# Altium PCB bms_mainboard-1_0.PcbDoc (part 7 of 7)
Units mm, origin at the board's own origin, x right, y up, seen from the top; angles counter-clockwise.
Board outline 287.5 x 127.76 mm, 6 copper layers (L1, L2, L3, L4, L5, L6), stack 1.853 mm thick; 821 components, 640 nets, 2823 pads, 1876 vias.
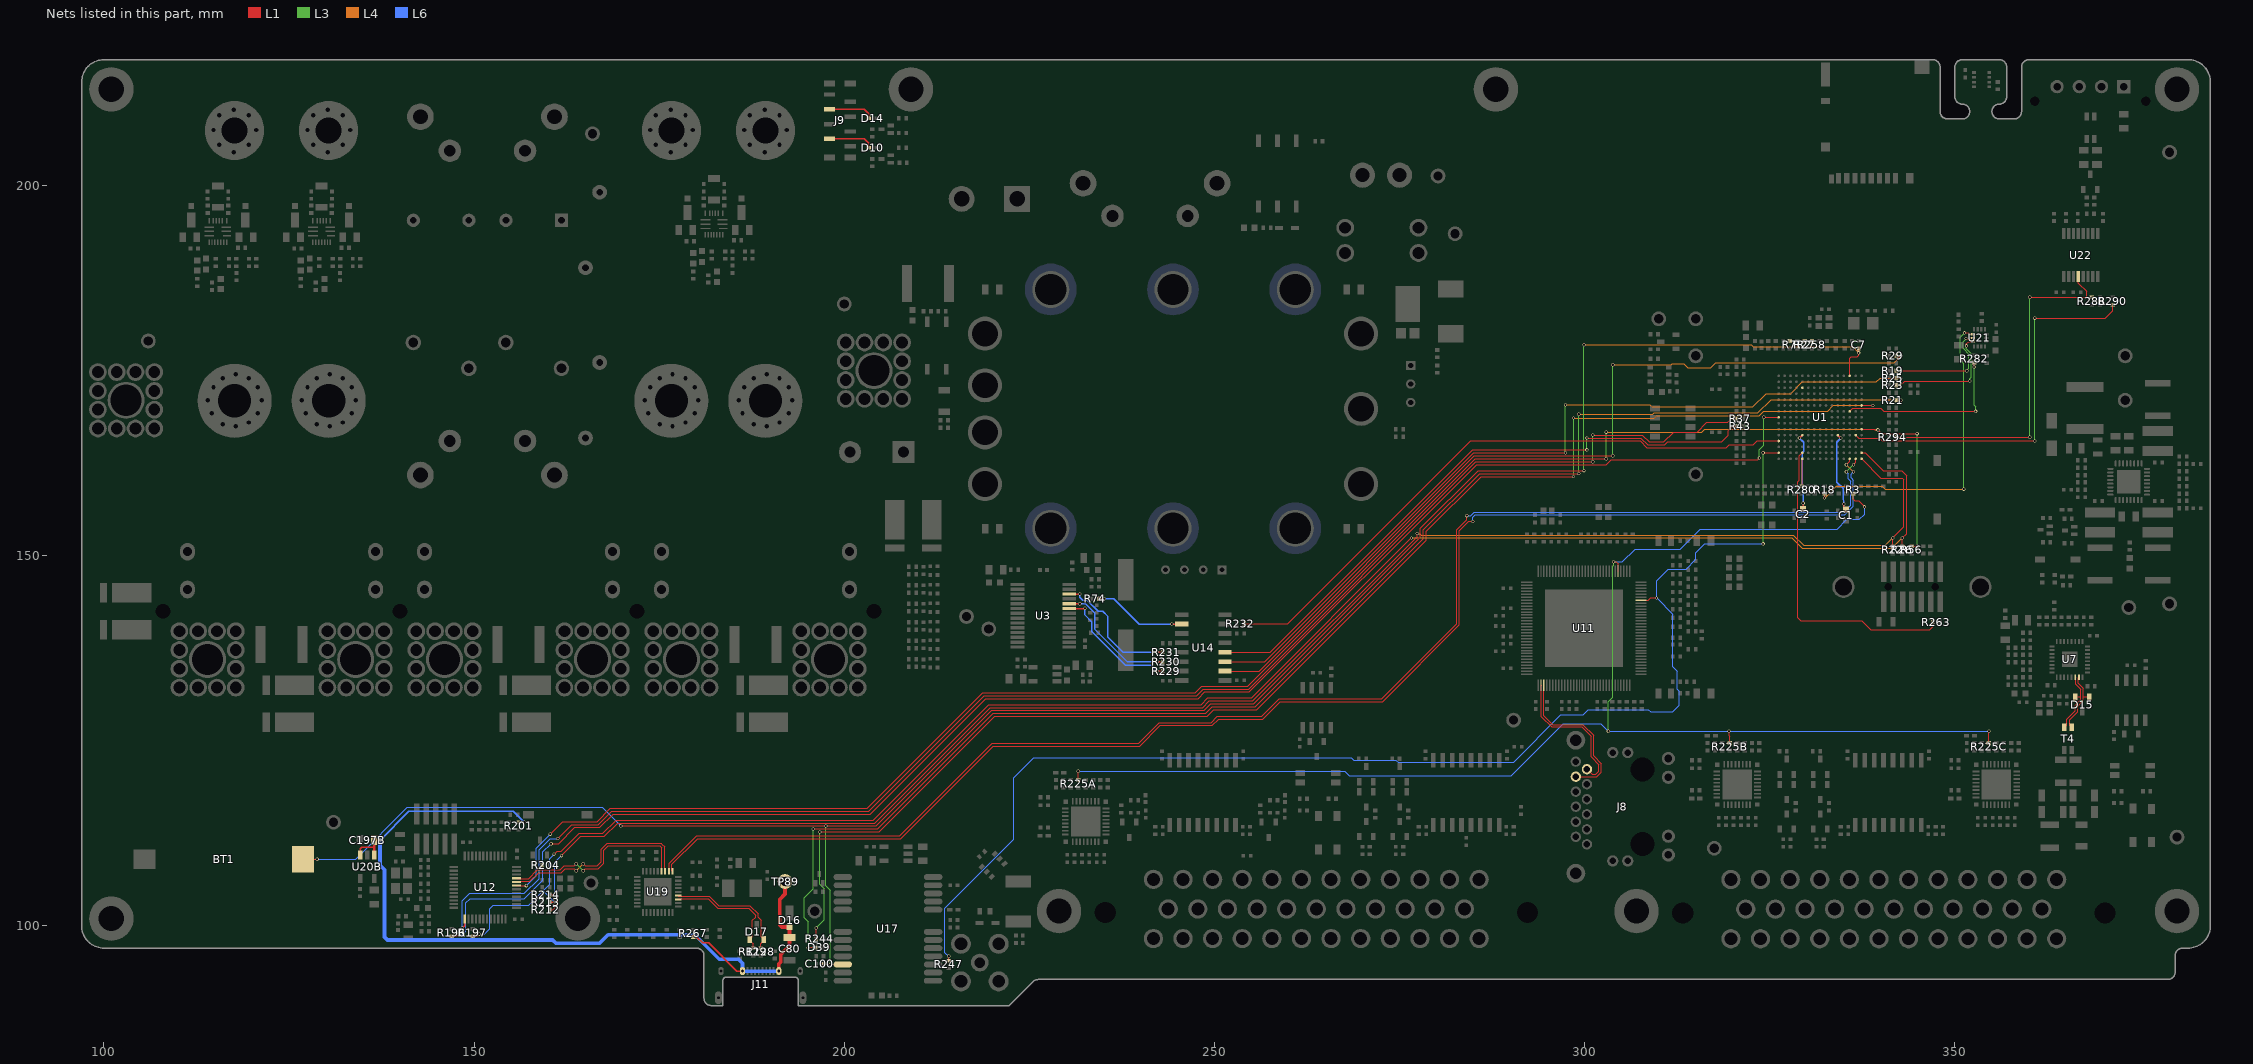
[diagram p11: the nets of this part, all layers, seen from the top]

## Via types
v1: diameter 0.45, hole 0.3, L1 to L6, 908 vias
v2: diameter 1, hole 0.6, L1 to L6, 875 vias
v3: diameter 0.65, hole 0.3, L1 to L6, 41 vias
v4: diameter 0.5, hole 0.35, L1 to L6, 28 vias
v5: diameter 0.45, hole 0.3, L1 to L6, tented both sides, 24 vias

## Nets (pads, with @x,y where several pads share a name; then routed paths per layer and width w, separated by ;. In a path a pad name is that pad's centre, name@x,y a point inside that pad or via, vN(x,y) a via of type N, cw(c..) or ccw(c..) an arc to the next point about the centre after c; other vN are vias at no path point) (continued)
SPI2.SCK_1: R3.1 R225A.2 R225B.2 R225C.2 U11.101 | length 196.2
  L1 w0.15: R225A.2@231.6,119.7 v1(231.6,120.9) ; v1(303.9,149.2) 304.2,149.2 304.5,148.9 U11.101@304.5,147.9 ; v1(319.5,126.3) 319.5,125.7 319.6,125.6 R225B.2@319.6,124.7 ; R3.1@336.3,158.4 336.3,157.6 336.5,157.4 337,157.4 v1(337.8,156.6) ; R225C.2@354.6,124.7 v1(354.6,126.3)
  L3 w0.15: v1(303.2,126.3) 303.2,130.3 303.8,130.9 303.8,148.6 303.9,148.7 v1(303.9,149.2)
  L6 w0.15: v1(231.6,120.9) 267.6,120.9 268.2,120.3 290.1,120.3 297.1,127.3 302.2,127.3 v1(303.2,126.3) v1(319.5,126.3) v1(354.6,126.3) ; v1(303.9,149.2) 305.1,149.2 306.8,150.9 312.9,150.9 315.6,153.6 334.1,153.6 335.4,154.9 337.1,154.9 337.8,155.6 v1(337.8,156.6)
SPI4.MISO_1: R232.2 U1.R12 | length 83.2
  L1 w0.15: R232.2@254,140.8 259.9,140.8 284.6,165.5 307.5,165.5 308.4,164.6 319.1,164.6 319.5,165 322.8,165 323.3,165.5 U1.R12@326.2,165.5
SPI4.MOSI_1: R43.1 U14.4 | length 83.8
  L1 w0.15: U14.4@251.421,136.965 257.565,136.965 284.9,164.3 v1(300.3,164.3) ; v1(300.3,165.9) 307.6,165.9 308.5,165 310.8,165 311.2,165.4 318.5,165.4 319.4,166.3 319.4,166.9 320,167.5 R43.1@320.5,167.5
  L3 w0.15: v1(300.3,164.3) v1(300.3,165.9)
SPI4.SCK_1: R25.1 U14.3 | length 111.8
  L1 w0.15: U14.3@251.421,135.695 256.795,135.695 285,163.9 v1(297.4,163.9) ; R25.1@342.1,174 v1(342.7,174)
  L3 w0.15: v1(297.4,163.9) v1(297.4,170.4)
  L4 w0.15: v1(297.4,170.4) 308.8,170.4 309.1,170.1 322.7,170.1 324.5,171.9 327.8,171.9 329.4,173.5 339.4,173.5 339.9,174 v1(342.7,174)
SPI4_ISO.MISO_1: R74.2 U14.10 | length 12.6
  L1 w0.2: R74.2@234.4,144.2 v1(235.1,144.2) ; v1(244.22,140.779) 244.224,140.775 U14.10@245.579,140.775
  L6 w0.2: v1(235.1,144.2) 236.4,144.2 239.821,140.779 v1(244.22,140.779)
SPI4_ISO.MOSI_1: R231.1 U3.26 | length 17.7
  L1 w0.203: U3.26@230.4,144.825 231.806,144.825 v1(231.808,144.826) ; v1(242.3,137) R231.1@243,137
  L6 w0.203: v1(231.808,144.826) 231.808,144.392 232.2,144 232.8,144 234.3,142.5 234.9,142.5 235.6,141.8 235.6,139 237.6,137 v1(242.3,137)
SPI4_ISO.SCK_1: R230.1 U3.24 | length 17.1
  L1 w0.203: U3.24@230.4,143.525 231.806,143.525 v1(231.808,143.526) ; v1(242.3,135.7) R230.1@243,135.7
  L6 w0.203: v1(231.808,143.526) 231.834,143.5 232.6,143.5 233.8,142.3 233.8,140.1 238.2,135.7 v1(242.3,135.7)
SPI4_nSS_1: R29.1 U14.2 | length 117.1
  L1 w0.15: U14.2@251.421,134.425 256.025,134.425 285.1,163.5 v1(303.8,163.5) ; R29.1@342.1,177 v1(342.7,177)
  L3 w0.15: v1(303.8,163.5) v1(303.8,175.8)
  L4 w0.15: v1(303.8,175.8) 311.7,175.8 311.8,175.9 313.4,175.9 313.9,175.4 317,175.4 317.7,176.1 341.8,176.1 v1(342.7,177)
SPI4_nSS_ISO_1: R229.1 U3.23 | length 17.4
  L1 w0.203: U3.23@230.4,142.875 232.475,142.875 v1(232.5,142.9) ; v1(242.3,134.4) R229.1@243,134.4
  L6 w0.203: v1(232.5,142.9) 232.5,142 233.4,141.1 233.4,139.8 238,135.2 241.5,135.2 v1(242.3,134.4)
SPI5.MISO_1: U1.L3
SPI5.MOSI_1: R7.1
SPI5.SCK_1: R27.1
SPI5_nSS_1: R258.1
SPI6.MISO_1: R282.1 U1.C7 | length 24
  L1 w0.15: U1.C7@335.8,169.5 336.2,169.9 340,169.9 340.4,169.5 v1(352.8,169.5) ; v1(352.6,175.5) R282.1@352.6,176.1
  L3 w0.15: v1(352.6,175.5) 352.6,170.3 352.8,170.1 v1(352.8,169.5)
SPI6.MOSI_1: R23.1 U21.14 | length 16.5
  L1 w0.15: R23.1@342.1,173 342.6,173 343.2,173.6 v1(352,173.6) ; v1(351.568,178.346) 351.568,178.646 351.848,178.926 U21.14@352.412,178.926
  L3 w0.15: v1(351.568,178.346) 351.568,177.932 352.2,177.3 352.2,174.1 352,173.9 v1(352,173.6)
SPI6.SCK_1: R19.1 U21.13 | length 15.4
  L1 w0.15: R19.1@342.1,175 v1(351.6,175) ; v1(351.541,179.332) 351.901,179.332 351.995,179.426 U21.13@352.412,179.426
  L3 w0.15: v1(351.541,179.332) 351.1,178.89 351.1,178 351.9,177.2 351.9,175.3 v1(351.6,175)
SPI6_nSS_1: R18.1 U21.12 | length 43
  L1 w0.15: v1(332.4,157.8) R18.1@332.4,158.4 ; v1(351.3,180.1) 351.8,180.1 351.974,179.926 U21.12@352.412,179.926
  L3 w0.15: v1(351.2,159) 351.2,175.9 350.7,176.4 350.7,179.5 v1(351.3,180.1)
  L4 w0.15: v1(332.4,157.8) 334,159.4 340.2,159.4 340.6,159 v1(351.2,159)
SWD.SWCLK_1: R26.1 R197.1 R213.1 U1.A14 | length 240.2
  L1 w0.15: v1(160.8,109.7) 161.2,110.1 161.8,110.1 164.2,112.5 167.4,112.5 169.2,114.3 203.9,114.3 219.5,129.9 248.2,129.9 249.1,130.8 255,130.8 v1(276.6,152.4) ; U1.A14@337.4,163.9 337.9,163.9 340.3,161.5 342.8,161.5 343.5,160.8 343.5,153 v1(342.9,152.4) R26.1@342.9,151.3
  L1 w0.2: R197.1@149.8,98.6 150.4,98.6 v1(150.7,98.9) ; R213.1@160.2,103.2 v1(160.9,103.2)
  L4 w0.15: v1(276.6,152.4) 328,152.4 329.4,151 341.5,151 v1(342.9,152.4)
  L6 w0.15: v1(150.7,98.9) 151.4,98.9 152.1,99.6 152.1,102.3 152.6,102.8 157.4,102.8 159.35,104.75 ; v1(160.8,109.7) 160.2,109.1 160.2,105.6 159.35,104.75 ; v1(160.9,103.2) 159.35,104.75
SWD.SWDIO_1: R22.1 R212.1 R214.1 U1.A15 | length 224.9
  L1 w0.15: R212.1@160.2,102.2 160.7,102.2 160.9,102.4 160.9,102.6 161.3,103 161.3,103.8 v1(160.9,104.2) ; v1(161.8,109.5) 164.4,112.1 167.6,112.1 169.4,113.9 204.1,113.9 219.7,129.5 248.4,129.5 249.3,130.4 255.2,130.4 277.4,152.6 v1(277.4,153) ; U1.A15@337.4,163.1 340,160.5 342.9,160.5 343.1,160.3 343.1,153.9 v1(341.6,152.4) R22.1@341.6,151.3
  L1 w0.2: R214.1@160.2,104.2 v1(160.9,104.2)
  L4 w0.15: v1(277.4,153) 277.7,153 277.9,152.8 328.2,152.8 329.6,151.4 340.6,151.4 v1(341.6,152.4)
  L6 w0.15: v1(160.9,104.2) 160.9,108.6 v1(161.8,109.5)
SWD.SWO_1: R56.1 U1.A10 U12.31 | length 237.4
  L1 w0.15: U12.31@155.75,105.45 v1(157.061,105.45) ; v1(160.3,112.4) 162,114.1 166.6,114.1 168.4,115.9 203.1,115.9 218.7,131.5 247.4,131.5 248.3,132.4 254.5,132.4 285.2,163.1 v1(302.9,163.1) ; U1.A10@337.4,167.1 339.1,167.1 339.2,167 v1(339.6,167) 340.1,166.5 v1(344.9,166.5) ; R56.1@344.2,151.3 v1(344.9,151.3)
  L3 w0.15: v1(302.9,163.1) v1(302.9,166.7) ; v1(344.9,151.3) v1(344.9,166.5)
  L4 w0.15: v1(302.9,166.7) 315.8,166.7 316.2,167.1 339.1,167.1 339.2,167 v1(339.6,167)
  L6 w0.15: v1(157.061,105.45) 158.4,106.789 158.4,110.5 v1(160.3,112.4)
TACH1_IN: D10.2 J9.7 | length 6.1
  L1 w0.2: J9.7@198,206.3 202.7,206.3 203.3,205.7 D10.2@203.3,205.1
TACH2_IN: D14.2 J9.3 | length 6.1
  L1 w0.2: J9.3@198,210.3 202.7,210.3 203.3,209.7 D14.2@203.3,209.1
TIMEPULSE_1: R247.2 U1.R14 U11.90 | length 175.2
  L1 w0.15: R247.2@214.1,95.3 v1(214.1,95.9) ; U11.90@307.6,144 308.6,144 308.9,144.3 v1(309.7,144.3) ; v1(324.1,163.9) U1.R14@326.2,163.9
  L3 w0.15: v1(324.1,151.6) v1(324.1,163.9)
  L6 w0.15: v1(214.1,95.9) 213.6,96.4 213.6,102.4 222.9,111.7 222.9,120 225.6,122.7 268.5,122.7 268.8,122.4 274.5,122.4 274.8,122.1 290.4,122.1 296.8,128.5 299.8,128.5 300.5,129.2 308.6,129.2 308.9,128.9 311.9,128.9 312.8,129.8 312.8,131.7 312.5,132 312.5,134.4 311.9,135 311.9,142.1 v1(309.7,144.3) 309.7,146.6 311.3,148.2 313.7,148.2 315,149.5 315,150.4 316.2,151.6 v1(324.1,151.6)
TRX_N: D15.1 T4.1 U7.31 | length 8.8
  L1 w0.123: T4.1@365.8,126.825 365.5,127.125 365.5,127.843 366.573,128.916 366.573,129.673 367.352,130.452 367.352,130.925 ; U7.31@366.75,133.6 366.662,133.512 366.662,132.8 367.352,132.109 367.352,130.925 ; D15.1@368.15,130.925 367.352,130.925
TRX_P: D15.2 T4.2 U7.30 | length 8.8
  L1 w0.123: T4.2@364.8,126.825 365.1,127.125 365.1,127.9 366.25,129.05 366.25,129.807 367.029,130.586 367.029,131.975 366.338,132.666 366.338,133.512 U7.30@366.25,133.6 ; D15.2@366.25,130.925 367.029,130.925
TX4_N: J8.10 U11.35 | length 21
  L1 w0.123: U11.35@294.5,132.5 294.462,132.462 294.462,128.4 295.662,127.2 299.757,127.2 301.2,125.757 301.2,122.957 302.223,121.934 302.223,120.766 301.621,120.164 J8.10@298.808,120.164
TX4_P: J8.11 U11.34 | length 19.3
  L1 w0.123: U11.34@294.1,132.5 294.138,132.462 294.138,128.266 295.528,126.877 299.623,126.877 300.877,125.623 300.877,122.823 301.9,121.8 301.9,120.9 301.487,120.487 301,120.487 J8.11@300.307,121.18
UART7.RX_1: R196.1 U1.R8 | length 215.6
  L1 w0.15: v1(160.4,111.1) 161.4,111.1 163.6,113.3 167,113.3 168.8,115.1 203.5,115.1 219.1,130.7 247.8,130.7 248.7,131.6 254.7,131.6 285.4,162.3 302.9,162.3 303.6,163 323.4,163 v1(323.6,163.2) ; v1(324.2,168.7) U1.R8@326.2,168.7
  L1 w0.2: R196.1@147,98.6 147.6,98.6 v1(147.9,98.9)
  L3 w0.15: v1(323.6,163.2) 323.6,164.3 324.2,164.9 v1(324.2,168.7)
  L6 w0.15: v1(147.9,98.9) 148.5,98.9 148.9,99.3 148.9,103.1 149.5,103.7 156.8,103.7 159.3,106.2 159.3,110 v1(160.4,111.1)
UART7.TX_1: R37.1 U12.13 | length 209.4
  L1 w0.15: v1(161.3,111.8) 163.2,113.7 166.8,113.7 168.6,115.5 203.3,115.5 218.9,131.1 247.6,131.1 248.5,132 254.6,132 285.3,162.7 v1@301.2,162.7 ; v1(301.1,166.3) 307.8,166.3 308.7,165.4 310.7,165.4 312,166.7 315.2,166.7 316.5,168 319.3,168 319.8,168.5 R37.1@320.5,168.5
  L1 w0.2: v1(148.4,99.7) 148.75,100.05 U12.13@148.75,100.95
  L3 w0.15: v1(301.1,162.7) v1(301.1,166.3)
  L6 w0.15: v1(148.4,99.7) 148.4,103.4 149.4,104.4 156.8,104.4 158.8,106.4 158.8,110.3 160.3,111.8 v1(161.3,111.8)
UART8.RX_1: R244.2 U1.A6 | length 188
  L1 w0.15: R244.2@196.2,98.3 196.2,99.7 v1(196.2,99.725) ; v1(196.7,112.7) 204.7,112.7 220.3,128.3 249,128.3 249.9,129.2 255.7,129.2 278.6,152.1 278.6,153.3 286,160.7 v1(298.5,160.7) ; U1.A6@337.4,170.3 v1(338.9,170.3)
  L3 w0.15: v1(196.2,99.725) 197.3,100.825 197.3,105 196.7,105.6 v1(196.7,112.7) ; v1(298.5,160.7) v1(298.5,168.6)
  L4 w0.15: v1(298.5,168.6) 309.4,168.6 309.7,168.9 323.6,168.9 324.2,169.5 332.8,169.5 333.6,170.3 v1(338.9,170.3)
UART8.TX_1: D39.2 R21.1 | length 194.7
  L1 w0.15: v1(195.1,97.075) 195.1,97.1 D39.2@196.05,97.1 ; v1(195.8,113.1) 204.5,113.1 220.1,128.7 248.8,128.7 249.7,129.6 255.5,129.6 278.2,152.3 278.2,153.5 285.8,161.1 v1(299.2,161.1) ; R21.1@342.1,171 v1(342.7,171)
  L3 w0.15: v1(195.1,97.075) 195.1,100.6 194.6,101.1 194.6,103.8 195.8,105 v1(195.8,113.1) ; v1(299.2,161.1) v1(299.2,169.1)
  L4 w0.15: v1(299.2,169.1) 309.2,169.1 309.4,169.3 323.4,169.3 325.2,171.1 342.275,171.1 342.375,171 v1(342.7,171)
USART2.RX_1: R290.2 U1.B11 | length 52.8
  L1 w0.15: U1.B11@336.6,166.3 337,165.9 339.8,165.9 340.2,165.5 v1(360.8,165.5) ; v1(360.8,182.1) 370.3,182.1 371.3,183.1 R290.2@371.3,183.9
  L3 w0.15: v1(360.8,165.5) v1(360.8,182.1)
USART2.TX_1: R288.1 R294.1 U22.4 | length 48.6
  L1 w0.15: R294.1@342.1,166 v1(360.1,166) ; v1(360.1,184.9) 367.8,184.9 ; U22.4@366.675,187.7 366.675,186.825 367.8,185.7 367.8,184.9 ; R288.1@368.5,184.9 367.8,184.9
  L3 w0.15: v1(360.1,166) v1(360.1,184.9)
USART3_RX_2: R263.1 U1.L14 | length 42.2
  L1 w0.15: U1.L14@329.4,163.9 329,163.5 329,160.2 328.8,160 328.8,141.6 329.2,141.2 337.419,141.2 338.619,140 346.6,140 347,140.4 R263.1@347,141
USART3_TX_2: R280.1 U1.L15 | length 3.7
  L1 w0.15: R280.1@329.3,159.4 329.4,159.5 U1.L15@329.4,163.1
USB_DFP1._1_N: U1.C15 U19.1 | length 195.6
  L1 w0.158: U19.1@176.8,107.375 176.729,107.446 176.729,108.3 180.229,111.8 207.606,111.8 220.106,124.3 239.906,124.3 242.706,127.1 249.7,127.1 250.547,127.947 256.547,127.947 258.9,130.3 272.706,130.3 283.058,140.652 283.058,153.358 284.332,154.632 v1(284.868,154.632) ; v1(335.346,162.304) 335.8,162.757 U1.C15@335.8,163.1
  L4 w0.158: v1(335.346,162.304) v1(336.296,161.354)
  L6 w0.158: v1(284.868,154.632) 284.868,155.168 285.243,155.543 335.148,155.543 336.3,156.694 336.3,160.2 335.979,160.521 335.979,161.036 v1(336.296,161.354)
USB_DFP1._1_P: U1.B15 U19.2 | length 195.5
  L1 w0.158: U19.2@176.3,107.375 176.371,107.446 176.371,108.448 180.081,112.157 207.457,112.157 219.957,124.658 239.757,124.658 242.557,127.457 249.552,127.457 250.399,128.305 256.399,128.305 258.752,130.658 272.558,130.658 282.7,140.8 282.7,153.506 284.079,154.885 v1(284.079,155.421) ; v1(336.296,162.304) 336.6,162.607 U1.B15@336.6,163.1
  L3 w0.158: v1(335.346,161.354) v1(336.296,162.304)
  L6 w0.158: v1(284.079,155.421) 284.615,155.421 285.094,155.9 335,155.9 335.943,156.843 335.943,160.052 335.621,160.373 335.621,161.079 v1(335.346,161.354)
USB_DFP2._1_N: U12.32 U19.3 | length 27.2
  L1 w0.158: U12.32@155.75,105.95 155.821,106.021 157.527,106.021 158.708,107.202 161.76,107.202 162.3,107.742 163.504,107.742 v1(163.8,107.446) ; v1(164.75,108.396) 165.046,108.1 166.6,108.1 167.143,108.643 167.143,110.348 167.952,111.158 175.248,111.158 175.353,111.053 175.729,110.677 175.729,107.446 U19.3@175.8,107.375
  L4 w0.158: v1(163.8,107.446) v1(164.75,108.396)
USB_DFP2._1_P: R204.2 U12.33 U19.4 | length 27.2
  L1 w0.158: U12.33@155.75,106.45 155.821,106.379 157.379,106.379 158.562,107.562 159.2,107.562 ; R204.2@159.2,108.2 159.2,107.562 ; v1(163.8,108.396) 163.504,108.1 162.152,108.1 161.614,107.562 159.2,107.562 ; v1(164.75,107.446) 165.046,107.743 166.748,107.743 167.5,108.494 167.5,110.2 168.1,110.8 175.1,110.8 175.371,110.529 175.371,107.446 U19.4@175.3,107.375
  L3 w0.158: v1(163.8,108.396) v1(164.75,107.446)
USB_UFP._1_N: D17.1 R129.1 U19.30 | length 16.4
  L1 w0.158: U19.30@177.575,103.6 177.646,103.671 181.629,103.671 182.9,102.4 187.094,102.4 188.023,101.471 188.023,101.166 187.6,100.743 187.6,98.525 D17.1@187.25,98.175 187.25,98.021 187.7,97.571 R129.1@187.7,97
USB_UFP._1_P: D17.2 R128.1 U19.31 | length 17
  L1 w0.158: U19.31@177.575,104.1 177.646,104.029 181.777,104.029 183.048,102.758 187.242,102.758 188.381,101.619 188.381,101.165 188.8,100.746 188.8,98.525 D17.2@189.15,98.175 189.15,98.016 188.7,97.566 R128.1@188.7,97
VBAT: BT1.1 C7.1 C100.1 U1.C1 U17.22 | length 278.3
  L1 w0.15: BT1.1@126.9,109 v1(128.8,109) ; v1(169.8,113.5) v1(197.5,113.5) 204.3,113.5 219.9,129.1 248.6,129.1 249.5,130 255.3,130 277.8,152.5 277.8,153.7 285.6,161.5 v1(299.9,161.5) ; C100.1@197.2,94.9 197.3,94.8 v1(198.1,94.8) U17.22@199.8,94.8 ; U1.C1@335.8,174.3 335.8,176.7 336,176.9 336.8,176.9 337,177.1 v1(337,177.4) C7.1@337,178
  L3 w0.15: v1(197.5,113.5) 197.5,105.4 198.1,104.8 v1(198.1,94.8) ; v1(299.9,161.5) v1(299.9,178.5)
  L4 w0.15: v1(299.9,178.5) 322.5,178.5 322.8,178.2 336.2,178.2 v1(337,177.4)
  L6 w0.15: v1(128.8,109) 134,109 141,116 167.3,116 v1(169.8,113.5)
VBUS: C80.1 C197B.1 D16.2 J11.VBUS R201.1 R267.1 TP89.1 U20B.1 U20B.3 | length 120.9
  L1 w0.2: U20B.3@134.6,109.61 134.6,110.4 134.8,110.6 136.495,110.6 136.5,110.605 ; R201.1@156,114 v1(156.8,114) ; R267.1@179.6,98.5 180.1,98.5 180.9,97.7 181.7,97.7 185.5,93.9 J11.VBUS@186.25,93.9
  L1 w0.3: U20B.1@136.5,109.61 136.5,110.605 C197B.1@136.5,111.6 v1(137.3,111.6)
  L1 w0.5: J11.VBUS@191.15,93.9 191.15,94.85 191.4,95.1 191.4,96.1 192.6,97.3 C80.1@192.6,98.45 D16.2@192.6,99.85 191.55,99.85 191.3,100.1 191.3,103.6 192,104.3 TP89.1@192,106
  L6 w0.2: v1(137.3,111.6) 141.2,115.5 155.3,115.5 v1(156.8,114)
  L6 w0.5: v1(137.3,111.6) 137.3,108.2 137.9,107.6 137.9,98.5 138.3,98.1 160.6,98.1 161.05,97.65 166.95,97.65 168.1,98.8 179.8,98.8 183.1,95.5 185.7,95.5 186.25,94.95 J11.VBUS@186.25,93.9 J11.VBUS@191.15,93.9
VCAP_1_2: C2.1 U1.L11 | length 10.5
  L1 w0.2: v1(329,165.9) U1.L11@329.4,166.3 ; C2.1@329.5,156.35 v1(329.5,157.1)
  L6 w0.2: v1(329,165.9) 329.6,165.3 329.6,164.1 329.4,163.9 329.4,159.5 329.5,159.4 v1(329.5,157.1)
VCAP_2_2: C1.1 U1.E11 | length 11
  L1 w0.2: U1.E11@334.2,166.3 v1(334.6,165.9)
  L1 w0.203: v1(335,157) 335,156.55 C1.1@335.3,156.25
  L6 w0.2: v1(334.6,165.9) 334.05,165.35 334.05,159.95 334.9,159.1 334.9,157.555 335,157.455 v1(335,157)
pads on no net: D44A.3 D44B.3 D44C.3 D44D.3 H1.1 H1.2 H11.1 HS1.0 HS2.0 HS3.0 J1.0 J1.1 J1.2 J1.9 J1.10 J8.0 J8.1 J8.2 J8.3 J8.7 J8.8 J8.9 J8.13 J8.14 J8.15 J8.16 J9.EP0 J9.EP1 J9.EP2 J9.EP3 J11.SBU1 J11.SBU2 J12.MH J13.9 J13.10 J13.11 J13.12 J13.MH J15.MH0 J15.MH1 J16.0 J16.8 K4.3 T1A.4 T1A.5 T1A.12 T1A.13 T1B.4 T1B.5 T1B.12 T1B.13 T1C.4 T1C.5 T1C.12 T1C.13 U1.A9 U1.A11 U1.B4 U1.B7 U1.B9 U1.B10 U1.C3 U1.C4 U1.C5 U1.C6 U1.C9 U1.C11 U1.D1 U1.D2 U1.D3 U1.D4 U1.D5 U1.D6 U1.D7 U1.D8 U1.D10 U1.D15 U1.E2 U1.E3 U1.E4 U1.E14 U1.E15 U1.F3 U1.F12 U1.F13 U1.G2 U1.G3 U1.G4 U1.G12 U1.G13 U1.G15 U1.H2 U1.H3 U1.H12 U1.H13 U1.H15 U1.J2 U1.J12 U1.J13 U1.K2 U1.K3 U1.K12 U1.K13 U1.L1 U1.L4 U1.M2 U1.M4 U1.M9 U1.M14 U1.N3 U1.N8 U1.N13 U1.P7 U1.P8 U1.P9 U1.P10 U1.P13 U1.P14 U1.R6 U1.R7 U1.R9 U1.R10 U1.R11 U2.20 U3.19 U7.1 U8A.17 U8B.17 U8C.17 U11.6 U11.7 U11.8 U11.9 U11.17 U11.18 U11.20 U11.21 U11.28 U11.29 U11.31 U11.32 U11.39 U11.40 U11.42 U11.43 U11.48 U11.50 U11.51 U11.52 U11.53 U11.59 U11.60 U11.62 U11.93 U11.102 U11.103 U11.108 U11.112 U11.113 U11.115 U11.116 U11.117 U11.118 U11.120 U11.121 U12.4 U12.11 U12.14 U12.16 U12.17 U12.19 U12.20 U12.21 U12.22 U12.28 U12.29 U12.40 U12.41 U12.42 U12.43 U12.45 U12.46 U13A.1 U13A.2 U13A.5 U13A.6 U13A.7 U13A.8 U13A.18 U13A.19 U13A.20 U13A.23 U13A.24 U13B.1 U13B.2 U13B.5 U13B.6 U13B.7 U13B.8 U13B.18 U13B.19 U13B.20 U13B.23 U13B.24 U13C.1 U13C.2 U13C.5 U13C.6 U13C.7 U13C.8 U13C.18 U13C.19 U13C.20 U13C.23 U13C.24 U17.1 U17.2 U17.4 U17.5 U17.6 U17.15 U17.16 U17.17 U17.18 U17.19 U19.5 U19.11 U19.12 U19.13 U19.16 U19.17 U19.19 U19.21 U19.34 U20A.2 U20B.2 U21.10 U22.12 U22.13 X1.2 X1.4 X4.2 X4.4 X5.2 X5.4 X7.2 X7.4

## Polygon pours and split planes (outlines as drawn)
HV_3_P on L1 "NONET_L04_P-001" (solid, remove dead copper, pour order 42): 139,143 125,143 125,152 137,164 153.983,164 154,168 160,168 160,164 167,164 170.05,167.05 170.05,177 182.05,177 182.05,164 195,164 199,168 204,168 204,161 202,159 202,143 184.1,143 184.1,153 171,153 171,143 152,143 152,153 139,153
5P0 on L1 "5P0_L01_P035" (solid, remove dead copper, pour order 35): 379.8,165.7 379.8,169.7 375,169.7 375,165.7
1P2 on L1 "1P2_L01_P033" (solid, remove dead copper, pour order 33): 375,154.3 375,150.3 379.8,150.3 379.8,154.3
3P3 on L1 "3P3_L01_P031" (solid, remove dead copper, pour order 31): 367.2,154.3 367.2,150.3 372,150.3 372,154.3
HV_MC1_3_P on L1 "NONET_L04_P-001" (solid, remove dead copper, pour order 39): 172,152 172,130 185,130 185,134 186,134 186,142 183,142 183,152
HV_MC0_3_P on L1 "NONET_L04_P-001" (solid, remove dead copper, pour order 38): 140,152 140,130 153,130 153,134 154,134 154,142 151,142 151,152
HV_MC1_3_N on L1 "NONET_L04_P-001" (solid, remove dead copper, pour order 37): 187,142 203,142 203,130 187,130
HV_MC0_3_N on L1 "NONET_L04_P-001" (solid, remove dead copper, pour order 36): 155,142 171,142 171,130 155,130
HV_ARRAY_3_P on L1 "NONET_L04_P-001" (solid, remove dead copper, pour order 34): 108,152 108,130 121,130 121,134 122,134 122,142 119,142 119,152
HV_ARRAY_3_N on L1 "NONET_L04_P-001" (solid, remove dead copper, pour order 32): 123,142 139,142 139,130 123,130
LVB on L1 "LVB_L01_P057" (solid, remove dead copper, pour order 57): 273,181.5 284,181.5 284,196 273,196
HV_RAW_SUPPLY_3 on L1 "NONET_L04_P-001" (solid, remove dead copper, pour order 41): 183.05,181 183.05,165 194,165 198,169 210,169 210,181
HV_N on L1 "NONET_L04_P-001" (solid, remove dead copper, pour order 40): 203,129 187,129 187,126 185,126 185,129 155,129 155,126 153,126 153,129 123,129 123,126 121,126 121,129 107,129 107,143 101,143 101,138 97,138 97,117 203,117
HV_MEAS_3 on L1 "NONET_L04_P-001" (solid, remove dead copper, pour order 30): 136,164 136,177 124,177 124,169 119.044,164 97,164 97,147 101,147 101,144 107,144 107,153 125,153
HV_RAW_RETURN_3 on L1 "NONET_L04_P-001" (solid, remove dead copper, pour order 29): 97,177 123,177 123,169 119,165 97,165
1P2 on L6 "1P2_L06_P109" (solid, remove dead copper, pour order 109): 380.5,153 380.5,142 375,142 375,148.2 316,148.2 316,149.9 375,149.9 375,153
HV_3_P on L6 "NONET_L04_P-001" (solid, remove dead copper, pour order 43): 139,143 125,143 125,152 137,164 154,164 154,168 160,168 160,164 167,164 170.05,167.05 170.05,177 182.05,177 182.05,164 195,164 199,168 204,168 204,161 202,159 202,143 184.1,143 184.1,153 171,153 171,143 152,143 152,153 139,153
LVB on L6 "LVB_L06_P064" (solid, remove dead copper, pour order 64): 299.5,100 316.5,100 316.5,115 384.5,115 384.5,196 273,196 273,189.006 381.5,188.929 381.5,123 312.5,123 312.5,108 299.5,108 292.5,115 237,115 237,118 229,118 229,110.5 289,110.5
HV_MC0_3_P on L6 "NONET_L04_P-001" (solid, remove dead copper, pour order 50): 140,152 140,130 153,130 153,134 154,134 154,142 151,142 151,152
HV_MC0_3_N on L6 "NONET_L04_P-001" (solid, remove dead copper, pour order 48): 155,142 171,142 171,130 155,130
HV_RAW_SUPPLY_3 on L6 "NONET_L04_P-001" (solid, remove dead copper, pour order 55): 183.05,181 183.05,165 194,165 198,169 210,169 210,181
HV_MEAS_3 on L6 "NONET_L04_P-001" (solid, remove dead copper, pour order 45): 136,164 136,177 124,177 124,168.956 119.044,164 97,164 97,147 101,147 101,144 107,144 107,153 125,153
HV_N on L6 "NONET_L04_P-001" (solid, remove dead copper, pour order 52): 203,129 187,129 187,126 185,126 185,129 155,129 155,126 153,126 153,129 123,129 123,126 121,126 121,129 107,129 107,143 101,143 101,138 97,138 97,117 203,117
HV_MC1_3_P on L6 "NONET_L04_P-001" (solid, remove dead copper, pour order 51): 172,152 172,130 185,130 185,134 186,134 186,142 183,142 183,152
HV_MC1_3_N on L6 "NONET_L04_P-001" (solid, remove dead copper, pour order 49): 187,142 203,142 203,130 187,130
HV_ARRAY_3_P on L6 "NONET_L04_P-001" (solid, remove dead copper, pour order 47): 108,152 108,130 121,130 121,135 122,135 122,142 119,142 119,152
HV_ARRAY_3_N on L6 "NONET_L04_P-001" (solid, remove dead copper, pour order 46): 123,142 139,142 139,130 123,130
HV_RAW_RETURN_3 on L6 "NONET_L04_P-001" (solid, remove dead copper, pour order 44): 97,177 123,177 123,169 119,165 97,165
GND on L2 "GND_L02_P054" (solid, remove dead copper, pour order 54): 182.05,89.244 183.6,89.244 183.6,92.6 cw(c184.1,92.6) 184.1,93.1 193.3,93.1 cw(c193.3,92.601) 193.8,92.6 193.8,89.244 222.275,89.244 225.507,92.476 cw(c226.213,91.771) 226.214,92.769 378.75,92.769 ccw(c378.75,93.768) 379.75,93.769 379.75,96 cw(c380.749,96) 380.75,97 381.5,97 ccw(c381.5,100) 384.5,100 384.5,214 ccw(c381.5,214) 381.5,217 375,217 375,208 371,208 371,207 366,207 366,211 361.5,211 361.5,217 360,217 ccw(c360,216) 359,216 359,210 cw(c358,210) 358,209 349,209 cw(c349,210) 348,210 348,216 ccw(c347,216) 347,217 100,217 ccw(c99.999,214.001) 97,214 97,184.5 136.5,184.5 136.5,192 143.5,192 143.5,207 160,207 160,201 170.5,201 170.5,184.5 198,184.5 198,186 201.5,186 206,181.5 208.5,181.5 208.5,184 206,184 206,192.5 212.5,192.5 212.5,201.5 265,201.5 265,150 248,150 248,131 233.5,131 233.5,123 225.507,123 225.507,116 97,116 97,100 ccw(c100,100) 100,97 180.05,97 cw(c180.051,96.001) 181.05,96 181.05,90.244 ccw(c182.05,90.243)
HV_3_P on L2 "NONET_L04_P-001" (solid, remove dead copper, pour order 101): 139,143 125,143 125,152 137,164 153.983,164 154,168 160,168 160,164 167,164 170.05,167.05 170.05,177 182.05,177 182.05,164 195,164 199,168 204,168 204,161 202,159 202,143 184.1,143 184.1,153 171,153 171,143 152,143 152,153 139,153
HV_N on L2 "HV_N_L02_P056" (solid, remove dead copper, pour order 56): 212,126 212,149.5 227,149.5 227,139 231.5,139 232,138.5 233.512,138.5 233.512,136 231.5,136 230.5,135 221.5,135 220,133.5 220,132 247,132 247,151.5 210,151.5 210,159 216,165 216,170 211,170 211,168 205.5,168 205.5,160 203.5,158 203.5,129 187,129 187,126 185,126 185,129 155,129 155,126 153,126 153,129 123,129 123,126 121,126 121,129 107,129 107,141 101,141 101,138 97,138 97,117 203,117
CHASSIS on L2 "CHASSIS_L02_P028" (solid, remove dead copper, pour order 28): 97,214 cw(c100,214) 100,217 347,217 cw(c347,216) 348,216 348,210 ccw(c349,210) 349,209 358,209 ccw(c358,210) 359,210 359,216 cw(c360,216) 360,217 381.5,217 cw(c381.5,214) 384.5,214 384.5,100 cw(c381.5,100) 381.5,97 380.75,97 ccw(c380.75,96) 379.75,96 379.75,93.769 cw(c378.75,93.768) 378.75,92.769 226.214,92.769 225.507,92.476 225.5,105 233,105 233,96 303,96 303,103.5 295,103.5 295,127 301.072,127 301.056,123.034 297,122.995 297,109.5 301,109.5 301,106 311,106 311,96 376,96 376,106 381.5,106 381.5,207 376,207 376,215 361.5,215 361.5,207 345,207 345,213.5 292,213.5 292,209 284,209 284,213.5 213.5,213.5 213.5,209 204.5,209 204.5,213.5 105,213.5 105,209 97,209
HV_RAW_SUPPLY_3 on L2 "NONET_L04_P-001" (solid, remove dead copper, pour order 105): 183.05,181 183.05,165 194,165 198,169 210,169 210,181
HV_RAW_RETURN_3 on L2 "NONET_L04_P-001" (solid, remove dead copper, pour order 97): 97,177 123,177 123,169 119,165 97,165
HV_MEAS_3 on L2 "NONET_L04_P-001" (solid, remove dead copper, pour order 93): 136,164 136,177 124,177 124,169 119.044,164 97,164 97,147 101,147 101,144 107,144 107,153 125,153
HV_MC1_3_N on L2 "NONET_L04_P-001" (solid, remove dead copper, pour order 89): 187,142 203,142 203,130 187,130
HV_MC1_3_P on L2 "NONET_L04_P-001" (solid, remove dead copper, pour order 85): 172,152 172,130 185,130 185,134 186,134 186,142 183,142 183,152
HV_MC0_3_N on L2 "NONET_L04_P-001" (solid, remove dead copper, pour order 81): 155,142 171,142 171,130 155,130
HV_MC0_3_P on L2 "NONET_L04_P-001" (solid, remove dead copper, pour order 77): 140,152 140,130 153,130 153,134 154,134 154,142 151,142 151,152
HV_ARRAY_3_N on L2 "NONET_L04_P-001" (solid, remove dead copper, pour order 73): 123,142 139,142 139,130 123,130
HV_ARRAY_3_P on L2 "NONET_L04_P-001" (solid, remove dead copper, pour order 68): 108,152 108,130 121,130 121,134 122,134 122,142 119,142 119,152
NetC177_1 on L2 "NETC177_1_L02_P062" (solid, remove dead copper, pour order 62): 362,217 362,211.5 366.5,211.5 366.5,208.5 370,208.5 370,209.5 374.5,209.5 374.5,217
NetC60_2 on L2 "NETC60_2_L02_P058" (solid, remove dead copper, pour order 58): 213,201 219,201 219,189.5 226,182.5 226,159.5 223.5,157 223.5,152 210.5,152 210.5,158.5 215.5,163.5 222,163.5 222,182 219.5,184.5 206.5,184.5 206.5,192 213,192
NetC37_2 on L2 "NETC37_2_L02_P053" (solid, remove dead copper, pour order 53): 231,136.5 230,135.5 221,135.5 219.5,134 212.5,134 212.5,149 226.5,149 226.5,138.5 231.5,138.5 232,138 233,138 233,136.5
3P3 on L5 "3P3_L05_P061" (solid, remove dead copper, pour order 61): 292,213.5 331,213.5 331,184 307.5,184 307.5,158 286.5,158 286.5,129.5 254,129.5 254,135 252,135 252,128 260.5,128 260.5,116.5 238,116.5 238,118.5 225,118.5 225,109 350.5,109 350.5,125.5 371.5,125.5 371.5,141.5 375,141.5 375,145.5 371.5,145.5 371.5,161.5 361,161.5 361,181.5 370,181.5 370,187.5 363,187.5 363,196.5 371,196.5 371,207 366,207 366,211 359,211 359,210 cw(c358,210) 358,209 349,209 cw(c349,210) 348,210 348,216 ccw(c347,216) 347,217 204.5,217 204.5,204 213.5,204 213.5,213.5 284,213.5 284,209 292,209
HV_3_P on L5 "NONET_L04_P-001" (solid, remove dead copper, pour order 104): 139,143 125,143 125,152 137,164 153.983,164 154,168 160,168 160,164 167,164 170.05,167.05 170.05,177 182.05,177 182.05,164 195,164 199,168 204,168 204,161 202,159 202,143 184.1,143 184.1,153 171,153 171,143 152,143 152,153 139,153
5P0 on L5 "5P0_L05_P-001" (solid, remove dead copper, pour order 65): 363.5,196 363.5,188 370.5,188 370.5,163 376.5,163 376.5,159.5 381.5,159.5 381.5,135.5 372.5,135.5 372.5,96 224,96 224,119.5 239,119.5 239,117.5 259.5,117.5 259.5,127 251,127 251,136 255,136 255,130.5 265.5,130.5 265.5,138.5 257,138.5 257,150 248,150 248,123 221,123 221,109.5 190,109.5 190,92.769 226.214,92.769 378.75,92.769 ccw(c378.75,93.769) 379.75,93.769 379.75,96 cw(c380.75,96) 380.75,97 381.5,97 ccw(c381.5,100) 384.5,100 384.5,196
3P3_B on L5 "3P3_B_L05_P063" (solid, remove dead copper, pour order 63): 227,150 247,150 247,132 220,132 220,133.5 221.5,135 230.5,135 231.5,136 233.5,136 233.5,138.5 232,138.5 231.5,139 227,139
HV_RAW_SUPPLY_3 on L5 "NONET_L04_P-001" (solid, remove dead copper, pour order 108): 183.05,181 183.05,165 194,165 198,169 210,169 210,181
HV_RAW_RETURN_3 on L5 "NONET_L04_P-001" (solid, remove dead copper, pour order 100): 97,177 123,177 123,169 119,165 97,165
HV_MEAS_3 on L5 "NONET_L04_P-001" (solid, remove dead copper, pour order 96): 136,164 136,177 124,177 124,169 119.044,164 97,164 97,147 101,147 101,144 107,144 107,153 125,153
HV_MC1_3_N on L5 "NONET_L04_P-001" (solid, remove dead copper, pour order 92): 187,142 203,142 203,130 187,130
HV_MC1_3_P on L5 "NONET_L04_P-001" (solid, remove dead copper, pour order 88): 172,152 172,130 185,130 185,134 186,134 186,142 183,142 183,152
HV_MC0_3_N on L5 "NONET_L04_P-001" (solid, remove dead copper, pour order 84): 155,142 171,142 171,130 155,130
HV_MC0_3_P on L5 "NONET_L04_P-001" (solid, remove dead copper, pour order 80): 140,152 140,130 153,130 153,134 154,134 154,142 151,142 151,152
HV_ARRAY_3_N on L5 "NONET_L04_P-001" (solid, remove dead copper, pour order 76): 123,142 139,142 139,130 123,130
HV_ARRAY_3_P on L5 "NONET_L04_P-001" (solid, remove dead copper, pour order 71): 108,152 108,130 121,130 121,135 122,135 122,142 119,142 119,152
HV_N on L5 "NONET_L04_P-001" (solid, remove dead copper, pour order 67): 203,129 187,129 187,126 185,126 185,129 155,129 155,126 153,126 153,129 123,129 123,126 121,126 121,129 107,129 107,143 101,143 101,138 97,138 97,117 203,117
3P3_USB on L5 "3P3_USB_L05_P059" (solid, remove dead copper, pour order 59): 135.5,107.5 138,107.5 138,112 184,112 184,96 181.05,96 ccw(c180.05,96) 180.05,97 135.5,97
HV_3_P on L4 "NONET_L04_P-001" (solid, remove dead copper, pour order 103): 139,143 125,143 125,152 137,164 153.983,164 154,168 160,168 160,164 167,164 170.05,167.05 170.05,177 182.05,177 182.05,164 195,164 199,168 204,168 204,161 202,159 202,143 184.1,143 184.1,153 171,153 171,143 152,143 152,153 139,153
HV_RAW_SUPPLY_3 on L4 "NONET_L04_P-001" (solid, remove dead copper, pour order 107): 183.05,181 183.05,165 194,165 198,169 210,169 210,181
HV_RAW_RETURN_3 on L4 "NONET_L04_P-001" (solid, remove dead copper, pour order 99): 97,177 123,177 123,169 119,165 97,165
HV_MEAS_3 on L4 "NONET_L04_P-001" (solid, remove dead copper, pour order 95): 136,164 136,177 124,177 124,169 119.044,164 97,164 97,147 101,147 101,144 107,144 107,153 125,153
HV_MC1_3_N on L4 "NONET_L04_P-001" (solid, remove dead copper, pour order 91): 187,142 203,142 203,130 187,130
HV_MC1_3_P on L4 "NONET_L04_P-001" (solid, remove dead copper, pour order 87): 172,152 172,130 185,130 185,134 186,134 186,142 183,142 183,152
HV_MC0_3_N on L4 "NONET_L04_P-001" (solid, remove dead copper, pour order 83): 155,142 171,142 171,130 155,130
HV_MC0_3_P on L4 "NONET_L04_P-001" (solid, remove dead copper, pour order 79): 140,152 140,130 153,130 153,134 154,134 154,142 151,142 151,152
HV_ARRAY_3_N on L4 "NONET_L04_P-001" (solid, remove dead copper, pour order 75): 123,142 139,142 139,130 123,130
HV_ARRAY_3_P on L4 "NONET_L04_P-001" (solid, remove dead copper, pour order 70): 108,152 108,130 121,130 121,135 122,135 122,142 119,142 119,152
HV_N on L4 "NONET_L04_P-001" (solid, remove dead copper, pour order 66): 203,129 187,129 187,126 185,126 185,129 155,129 155,126 153,126 153,129 123,129 123,126 121,126 121,129 107,129 107,143 101,143 101,138 97,138 97,117 203,117
HV_3_P on L3 "NONET_L04_P-001" (solid, remove dead copper, pour order 102): 139,143 125,143 125,152 137,164 153.983,164 154,168 160,168 160,164 167,164 170.05,167.05 170.05,177 182.05,177 182.05,164 195,164 199,168 204,168 204,161 202,159 202,143 184.1,143 184.1,153 171,153 171,143 152,143 152,153 139,153
HV_MEAS_3 on L3 "NONET_L04_P-001" (solid, remove dead copper, pour order 94): 136,164 136,177 124,177 124,169 119.044,164 97,164 97,147 101,147 101,144 107,144 107,153 125,153
HV_ARRAY_3_P on L3 "NONET_L04_P-001" (solid, remove dead copper, pour order 69): 108,152 108,130 121,130 121,135 122,135 122,142 119,142 119,152
HV_N on L3 "NONET_L04_P-001" (solid, remove dead copper, pour order 72): 203,129 187,129 187,126 185,126 185,129 155,129 155,126 153,126 153,129 123,129 123,126 121,126 121,129 107,129 107,143 101,143 101,138 97,138 97,117 203,117
HV_RAW_SUPPLY_3 on L3 "NONET_L04_P-001" (solid, remove dead copper, pour order 106): 183.05,181 183.05,165 194,165 198,169 210,169 210,181
HV_RAW_RETURN_3 on L3 "NONET_L04_P-001" (solid, remove dead copper, pour order 98): 97,177 123,177 123,169 119,165 97,165
HV_MC1_3_N on L3 "NONET_L04_P-001" (solid, remove dead copper, pour order 90): 187,142 203,142 203,130 187,130
HV_MC1_3_P on L3 "NONET_L04_P-001" (solid, remove dead copper, pour order 86): 172,152 172,130 185,130 185,134 186,134 186,142 183,142 183,152
HV_MC0_3_N on L3 "NONET_L04_P-001" (solid, remove dead copper, pour order 82): 155,142 171,142 171,130 155,130
HV_MC0_3_P on L3 "NONET_L04_P-001" (solid, remove dead copper, pour order 78): 140,152 140,130 153,130 153,134 154,134 154,142 151,142 151,152
HV_ARRAY_3_N on L3 "NONET_L04_P-001" (solid, remove dead copper, pour order 74): 123,142 139,142 139,130 123,130

## Silkscreen, mask and mechanical layers (free items; w line width, h text height)
Top Overlay:
  lines w0.2: 217,133.7 217.8,139.2
  text "LV_COIL" at 166.333,208.8 h1 r90
  text "bms_mainboard-1_0 / Sasha Zbrozek - zbrozek@zlnp.net / JLC06161H-3313 1.54mm 6-layer" at 242.9,207.9 h1.27
  text "GND" at 377.7,201.9 h1
  text "GND" at 278.9,198.7 h1
  text "LVB" at 281.3,195.1 h1
  text "HV PRESENT / WHEN LIT" at 253.5,190 h1
  text "BOOT0" at 334.5,188.4 h1
  text "ADC_IN9" at 304.7,183.667 h1
  text "DAC1" at 313.4,183.6 h1
  text "BATT+" at 204.5,181.5 h2 r90
  text "DAC2" at 313.4,178.6 h1
  text "GND" at 371.6,178.6 h1
  text "BATT-" at 103.5,177.5 h2 r90
  text "5P0" at 371.8,168.3 h1
  text "RESET" at 344.3,161.1 h1 r270
  text "GND" at 313.7,158.3 h1
  text "1P2" at 377.8,140.8 h1
  text "3P3" at 372.2,140.3 h1
  text "CH3-" at 217,136.4 h1 r90
  text "CH3+" at 220,134.7 h1 r90
  text "600 mV = 150 A" at 206.25,132.25 h1
  text "GND" at 289.1,129.4 h1
  text "PV+" at 111.5,127.5 h2
  text "PV-" at 131.5,127.5 h2
  text "MC0+" at 142.5,127.5 h2
  text "MC0-" at 162.5,127.5 h2
  text "MC1+" at 174.5,127.5 h2
  text "MC1-" at 195.5,127.5 h2
  text "GND" at 378.7,113.7 h1
  text "RESET" at 160.8,111.8 h1
  text "GND" at 129.7,111.3 h1
  text "LV_FAN" at 315.733,109.2 h1 r90
  text "VBUS" at 190.2,107.6 h1
  text "3P3_USB" at 167.333,107.3 h1 r90
  text "GND" at 194.7,99.4 h1
Bottom Overlay:
  text "SHIELD" at 364.2,211.9 h0.8 r90
  text "COMM_N" at 367.267,211.9 h0.8 r90
  text "COMM_P" at 370.267,211.9 h0.8 r90
  text "SHIELD" at 373.2,211.9 h0.8 r90
Board Shape:
  the board outline again, w0.508

## Text inside footprints (layer, text, board x,y; h text height)
BT1: Top Overlay "+" at 127.913,111.254 h1 r90
C60: Top Overlay "+" at 223.918,196.295 h2 r180
F3: Top Overlay "PTC fuse" at 166.15,192.05 h0.6 r90
F5: Top Overlay "PTC fuse" at 165.85,172.95 h0.6 r270
HS1: Top 3D Body "MATING FACE" at 238.725,198.425 h0.5; Top 3D Body "SPRING CLIP CLEARANCE" at 236.345,189.221 h0.5; Top 3D Body "TO-package hole line" at 236.525,194.892 h0.5
HS2: Top 3D Body "MATING FACE" at 149.225,207.425 h0.5; Top 3D Body "SPRING CLIP CLEARANCE" at 146.845,198.221 h0.5; Top 3D Body "TO-package hole line" at 147.025,203.892 h0.5
HS3: Top 3D Body "MATING FACE" at 154.375,162.775 h0.5 r180; Top 3D Body "SPRING CLIP CLEARANCE" at 156.755,171.979 h0.5 r180; Top 3D Body "TO-package hole line" at 156.575,166.308 h0.5 r180
J2: Top 3D Body "Board edge" at 343,216.5 h2.03 r180
J7: Top Overlay "+" at 266.4,200.833 h1
J11: Top 3D Body "PCB cutout" at 187.1,92.5 h0.4; Top 3D Body "Cavity inside" at 186.6,89.333 h0.4; Top 3D Body "Panel inside" at 186.8,88 h0.4; Top 3D Body "Panel outside" at 186.6,86.6 h0.4
J12: Top Overlay "BLACK" at 226.15,96.194 h2; Top Overlay "35" at 287.95,97.494 h1; Top Overlay "23" at 285.95,101.494 h1; Top Overlay "12" at 284.95,108.494 h1; Top Overlay "24" at 237.95,97.494 h1; Top Overlay "13" at 239.95,101.494 h1; Top Overlay "1" at 240.95,108.494 h1; Top 3D Body "Recommended PCB edge" at 254.95,93.827 h1; Bottom Overlay "35" at 289.55,97.494 h1; Bottom Overlay "23" at 287.55,101.494 h1; Bottom Overlay "12" at 286.3,108.494 h1; Bottom Overlay "24" at 239.55,97.494 h1; Bottom Overlay "13" at 241.3,101.494 h1; Bottom Overlay "1" at 241.3,108.494 h1
J13: Top Overlay "BLUE" at 304.15,96.169 h2; Top Overlay "1" at 318.95,108.469 h1; Top Overlay "13" at 317.95,101.469 h1; Top Overlay "24" at 315.95,97.469 h1; Top Overlay "12" at 362.95,108.469 h1; Top Overlay "23" at 363.95,101.469 h1; Top Overlay "35" at 365.95,97.469 h1; Top 3D Body "Recommended PCB edge" at 332.95,93.802 h1; Bottom Overlay "35" at 367.55,97.469 h1; Bottom Overlay "23" at 365.55,101.469 h1; Bottom Overlay "12" at 364.3,108.469 h1; Bottom Overlay "24" at 317.55,97.469 h1; Bottom Overlay "13" at 319.3,101.469 h1; Bottom Overlay "1" at 319.3,108.469 h1
J14: Top 3D Body "Sealing surface" at 214.22,88.67 h0.6
S1: Top Overlay "ON" at 311.35,167.35 h0.8 r90
S4: Top Overlay "ON" at 363.05,148.95 h0.6 r90
S6A: Top Overlay "ON" at 263.15,119.45 h0.6 r90
S6B: Top Overlay "ON" at 373.15,120.45 h0.6 r90
U6: Mechanical 1 "7x Preci-Dip 15115-91-0710 on top" at 229.363,167.842 h1.02; Mechanical 1 "6x PEM SMTSO-M3-2ET on either side" at 229.363,172.583 h1.02; Bottom Overlay "OUT-" at 272.403,157.903 h1.02 r270; Bottom Overlay "SC" at 272.403,169.003 h1.02 r270; Bottom Overlay "OUT+" at 272.403,178.503 h1.02 r270; Bottom Overlay "-IN" at 215.303,158.103 h1.02 r270; Bottom Overlay "PR" at 215.303,165.803 h1.02 r270; Bottom Overlay "PC" at 215.303,172.003 h1.02 r270; Bottom Overlay "+IN" at 215.303,178.603 h1.02 r270
XF6: Top Overlay "ATM bladed fuse" at 268.42,192.42 h0.6